# KiCad board smoothiev2-prime.kicad_pcb (continued)
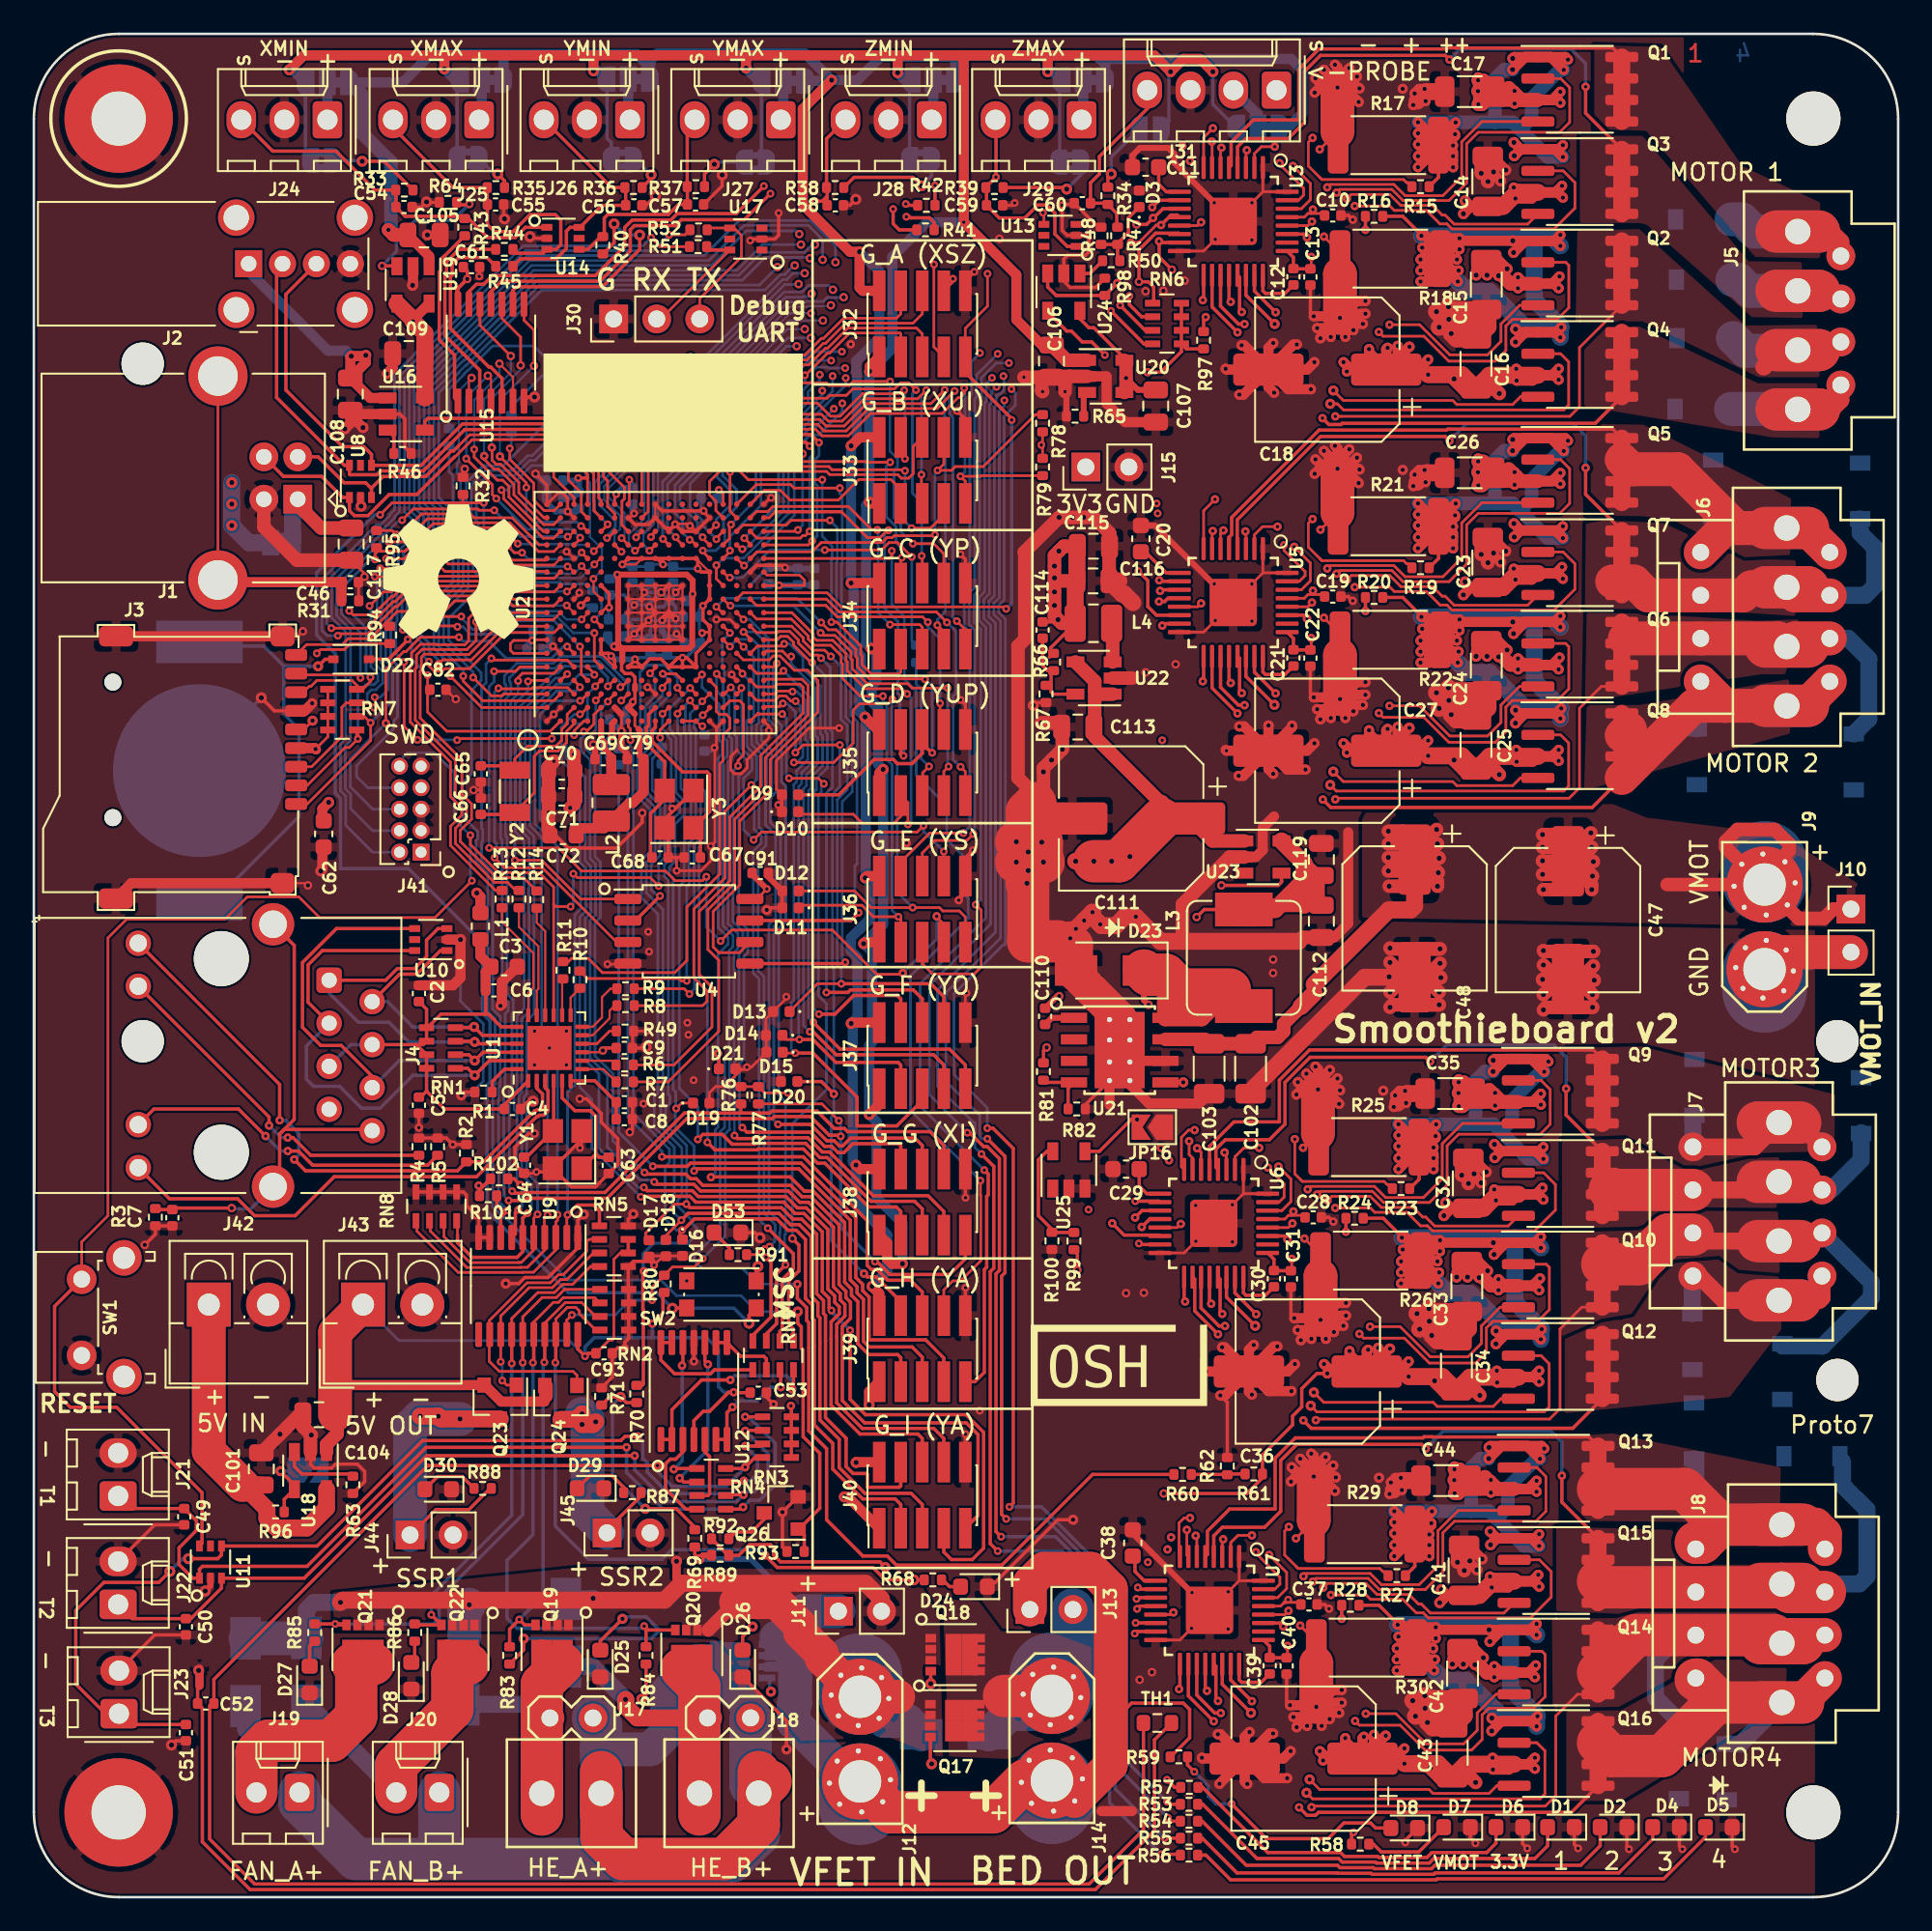
[diagram p0: board, top side]
## Routing (per net, layer and track width the routed paths; a pad name or vN(x,y) marks a point on that pad's centre or on a via; arc(x,y) is an arc through that point) (continued)
/SPI1_COPI: length 49.6
  Top w0.16: v5(40.52,56.45) 41.17,57.09 47.11,57.09 49.73,54.48 51.2,54.48 v3(51.27,54.56) ; v5(26.86,61.94) 30.96,61.94 32.32,60.58 37.26,60.58 37.83,60.01 39.45,60.01 v5(39.68,60.24) ; J36.7 53.69,57.44 53.27,57.86 v3(53.27,57.91) ; v5(27.15,72.37) 28.41,72.37 28.67,72.63 U2.A5
  Bottom w0.16: v3(53.27,57.91) 53.27,56.56 v3(51.27,54.56) ; v5(26.86,61.94) 26.86,71.46 27.15,71.76 v5(27.15,72.37) ; v5(40.52,56.45) 39.68,57.29 v5(39.68,60.24)
/SPI1_SCK: length 40.5
  Top w0.16: v5(44.95,70.61) 44.67,70.61 44.37,70.91 43.99,70.91 43.72,70.65 42.65,70.65 U2.T3 ; v5(44.85,66.99) 47.2,66.99 48.35,68.13 48.35,70.08 48.72,70.45 50.39,70.45 v5(50.66,70.72) ; J36.9 54.96,57.86 54.6,58.22 53.64,58.22 53.44,58.42 v5(51.86,58.42) 49.4,58.42 48.42,59.41 D12.1
  Bottom w0.16: v5(51.86,58.42) 50.94,59.34 50.94,66.96 50.61,67.28 50.61,70.67 v5(50.66,70.72) ; v5(44.85,66.99) 45.03,66.99 45.37,67.33 45.37,67.92 45.24,68.06 45.24,70.32 v5(44.95,70.61)
/SSR1: length 36.1
  Top w0.16: v5(29.16,71.77) 29.21,71.83 U2.A4
  Top w0.2: R102.1 28.35,42.41 v3(28.71,42.04) ; v5(28.58,40.58) 28.41,40.41 28.41,39.16 U9.7
  Bottom w0.16: v5(29.16,71.77) 29.16,71.23 28.41,70.48 28.41,62.89 28.93,62.37 28.93,52.46 28.5,52.03 28.5,47.65 28.34,47.49 28.34,46.49 28.5,46.33 28.5,42.16 28.81,41.85 28.81,40.81 v5(28.58,40.58)
/SSR2: length 41.8
  Top w0.16: v5(27,73.13) 27.09,73.03 31.47,73.03 U2.C5 ; 27.62,38.94 27.63,38.95
  Top w0.2: U9.8 27.55,40.14 v5(27.95,40.54) 27.63,40.54 27.31,40.86 27.31,41.41
  Bottom w0.16: v5(27,73.13) 26.68,72.81 26.68,71.7 26.41,71.43 26.41,63.09 26.49,63.02 26.49,62.36 26.41,62.29 26.41,61.2 27.07,60.54 27.07,52.43 27.52,51.98 27.52,49.88 27.51,49.87 27.51,47.87 27.42,47.78 27.42,41.07 v5(27.95,40.54)
/STEP_A: length 81.8
  Top w0.16: v5(23.41,78.28) 23.71,77.98 28.16,77.98 28.28,77.86 30.7,77.86 U2.B12 ; v3(73.5,102.37) 73.5,102.3 74.92,100.89 74.92,100.47 74.63,100.18 U3.31
  In1.Cu w0.16: v3(73.5,102.37) 69.14,102.37 68.12,103.38 v3(67.77,103.38)
  In2.Cu w0.2: v3(67.77,103.38) 66.28,103.38 61.83,98.93 57.67,98.93 56.43,100.17 53.13,100.17 51.7,98.75 50.28,98.75 49.68,99.34 45.03,99.34 43.87,98.18 v4(43.87,96.23)
  Bottom w0.16: v4(43.87,96.23) 42.81,95.17 29.84,95.17 25.4,90.73 25.37,90.73 24.79,90.15 24.79,90.12 23.6,88.94 23.6,82.51 24.15,81.97 24.15,79.63 23.32,78.8 23.32,78.37 v5(23.41,78.28)
/STEP_B: length 58.8
  Top w0.16: U5.31 74.67,77.68 75.01,78.02 75.01,78.25 73.77,79.5 v5(73.77,79.82) ; U2.H17 35.87,85.44 36.25,85.82 37.55,85.82 v5(37.62,85.89)
  In1.Cu w0.16: v5(73.77,79.82) 69.02,79.82 66.57,82.28 v5(66.24,82.28)
  In2.Cu w0.2: v5(66.24,82.28) 66.24,82.89 67.78,84.43 67.78,86.54 66.88,87.44 66.88,89.79 65.16,91.51 58.72,91.51 58.61,91.62 52.8,91.62 52.28,92.14 48.45,92.14 48.43,92.16 47.97,92.16 47.95,92.14 47.23,92.14 46.4,91.31 45.26,91.31 v4(45.01,91.56)
  Bottom w0.16: v4(45.01,91.56) 44.41,91.56 39.89,87.04 38.78,87.04 v5(37.62,85.89)
/STEP_C: length 107
  Top w0.16: U2.H15 35.53,80.29 v5(35.53,80.28) ; v3(72.81,43.07) 73.77,42.11 73.77,41.32 73.48,41.03 U6.31
  In1.Cu w0.16: v3(72.81,43.07) 68.08,43.07 66.92,44.23 v3(66.5,44.23)
  In2.Cu w0.2: v4(45.49,92.57) 46.73,92.57 46.98,92.82 48.7,92.82 48.72,92.8 52.56,92.8 53.08,92.28 62.58,92.28 62.69,92.17 66.01,92.17 67.54,90.64 67.54,87.72 68.44,86.82 68.44,84.16 67.25,82.97 67.25,81.95 65.88,80.58 64.47,80.58 62.37,78.48 62.37,73.88 67.97,68.28 67.97,66.06 70.55,63.48 70.55,56.76 70.2,56.41 70.2,48.39 69.61,47.8 69.21,47.8 66.5,45.09 v3(66.5,44.23)
  Bottom w0.128: v4(45.49,92.57) 44.46,92.57 39.5,87.61 37.88,87.61 36.74,86.46 36.74,85.28 36.28,84.82 36.28,81.27 35.53,80.53 v5(35.53,80.28)
/STEP_D: length 140.8
  Top w0.16: v3(72.1,20.37) 72.1,20.3 73.52,18.89 73.52,18.47 73.23,18.18 U7.31 ; U2.F14 v5(34.67,79.43)
  In1.Cu w0.16: v3(67.1,21.24) 67.97,20.37 v3(72.1,20.37)
  In2.Cu w0.2: v4(47.03,93.97) 48.95,93.97 49.13,93.79 53,93.79 53.42,93.37 63.18,93.37 63.37,93.18 66.65,93.18 68.67,91.16 68.67,89.05 69.49,88.23 69.49,83.48 68.24,82.23 68.24,81.41 66.3,79.47 65.7,79.47 63.59,77.36 63.59,75.04 66.23,72.4 66.23,72.16 69.24,69.15 69.24,66.19 71.54,63.89 71.54,56.35 71.19,56 71.19,47.98 69.12,45.91 69.12,43.85 68.55,43.28 67.91,43.28 67.15,42.52 63.89,42.52 63.15,41.78 63.15,36.24 69.13,30.26 69.13,23.98 67.1,21.95 v3(67.1,21.24)
  Bottom w0.128: v4(47.03,93.97) 46.98,93.93 45.65,93.93 45.61,93.89 44.6,93.89 39.09,88.38 37.56,88.38 35.96,86.78 35.96,85.6 33.65,83.29 33.65,82.5 34.58,81.56 34.58,80.76 34.26,80.43 34.26,79.92 34.22,79.88
  Bottom w0.16: v5(34.67,79.43) 34.22,79.88
/SWCLK: length 33
  Top w0.16: v5(20.95,80) 21.84,80 23.21,81.37 25.54,81.37 25.77,81.14 28.08,81.14 29.78,79.44 30.68,79.44 U2.B14
  Bottom w0.16: v5(20.95,80) 20.47,80 17.86,77.4 17.86,75.64 18.68,74.83 18.68,68.26 18.38,67.96 18.38,65.43 18.69,65.12 18.69,64.26 19.99,62.96 J41.4
/SWDIO: length 35.7
  Top w0.128: v5(31.5,80.31) 31.55,80.31 U2.C15
  Top w0.16: v5(21.72,81.29) 22.39,81.95 26.2,81.95 26.27,81.88 v5(27.17,81.88)
  Bottom w0.128: v5(31.5,80.31) 31.47,80.29 31.47,80.23
  Bottom w0.16: v5(31.5,80.31) 28.73,80.31 v5(27.17,81.88) ; J41.2 19.99,61.69 18.4,63.28 18.4,65 18.09,65.31 18.09,68.08 18.39,68.38 18.39,74.71 17.57,75.52 17.57,77.56 20.46,80.45 20.71,80.45 21.56,81.29 v5(21.72,81.29)
/SWO: length 24.1
  Top w0.16: U2.C6 v5(31.47,73.83) ; v3(20.77,69.31) 20.77,72.48 21.83,73.54 21.97,73.54 22.81,74.38 v5(25.08,74.38)
  Bottom w0.16: v5(31.47,73.83) 31.24,73.83 30.54,73.13 27.87,73.13 26.85,74.15 25.31,74.15 v5(25.08,74.38) ; v3(20.77,69.31) 18.67,67.21 18.67,65.55 19.99,64.23 J41.6
/T1: length 42.9
  Top w0.16: v5(46.61,65.73) 46.29,66.05 v5(44.56,66.05) ; v5(44.15,69.85) 42.73,69.85 42.71,69.87 ; 42.71,69.87 42.77,69.87 ; 42.71,69.87 U2.T1
  Top w0.2: RN9.1 44.8,32.86 44.8,33.56 44.54,33.81 44.54,36.37 45.14,36.97 45.14,38.5 v4(44.76,38.88)
  Bottom w0.16: v5(44.56,66.05) 44.41,66.2 44.41,69.59 v5(44.15,69.85) ; v5(46.61,65.73) 46.46,65.58 46.46,65.25 46.29,65.08 46.29,53.22 46.76,52.75 46.76,47.66 44.76,45.66 v4(44.76,38.88)
/T2: length 44
  Top w0.16: U2.R7 41.88,73.82 v5(41.88,73.81)
  Top w0.2: v5(43.3,39.49) 44.81,37.99 44.81,37.11 44.15,36.45 44.15,33.54 44.02,33.41 RN9.2
  Bottom w0.16: v5(43.3,39.49) 42.79,40.01 42.79,54.22 42.44,54.56 42.44,61.74 42.91,62.21 42.91,62.63 42.5,63.04 42.5,65.18 42.95,65.63 42.95,67.45 42.35,68.06 42.35,69.33 42.47,69.46 42.47,73.21 v5(41.88,73.81)
/T3: length 42.1
  Top w0.16: v5(43.83,72.83) 43.63,72.63 U2.U5
  Top w0.2: v5(44.35,37.33) 43.82,36.8 43.82,33.86 43.22,33.25 RN9.3
  Bottom w0.16: v5(43.83,72.83) 43.63,72.64 43.63,69.64 44.12,69.16 44.12,65.83 44.36,65.58 44.36,57.6 43.95,57.18 43.95,47.34 44.35,46.94 44.35,39.15 44.3,39.1 44.3,37.38 v5(44.35,37.33)
/T4: length 45.6
  Top w0.16: U2.T7 42.27,74.29 v5(41.87,74.69)
  Top w0.2: RN9.4 42.42,33.17 43.49,34.25 43.49,37.48 v5(43.2,37.78)
  Bottom w0.16: v5(41.87,74.69) 42.56,74.69 43.05,74.2 43.05,69.22 42.93,69.09 42.93,68.3 43.54,67.69 43.54,65.39 43.17,65.02 43.17,63.31 43.76,62.72 43.76,57.82 43.37,57.42 43.37,40.49 44.04,39.82 44.04,39.25 44.01,39.22 44.01,38.27 43.52,37.78 v5(43.2,37.78)
/TDI: length 28.4
  Top w0.128: U2.A14 29.82,79.83
  Top w0.16: v5(21.97,80.76) 22.88,81.66 25.75,81.66 25.98,81.43 28.22,81.43 29.82,79.83
  Bottom w0.16: J41.8 19.7,65.5 19.04,66.16 19.04,66.8 21.25,69 21.25,69.46 21.46,69.68 21.46,72.71 21.05,73.12 21.05,75.39 21.13,75.48 21.13,78.08 21.23,78.18 21.23,79.61 21.97,80.35 v5(21.97,80.76)
/TIM1_CH1: length 32.5
  Top w0.16: v5(40.27,76.18) 40.62,75.83 U2.P9 ; v5(46.45,75.25) 46.88,74.82 47.34,74.82 48.5,73.66 48.5,73.24 48.58,73.16 48.58,72.64 49.3,71.92 52.56,71.92 v5(52.59,71.89) ; J35.6 52.42,68.14
  Top w0.2: D9.1 47.49,65.08 49.58,67.16 50.71,67.16 50.95,66.92 51.81,66.92 52.42,67.53 J35.6 52.42,68.11 52.97,67.56 v5(53,67.56)
  Bottom w0.16: v5(53,67.56) 53,71.48 v5(52.59,71.89) ; v5(46.45,75.25) 45.02,76.68 40.77,76.68 v5(40.27,76.18)
/TIM1_CH2: length 22.5
  Top w0.16: v5(53.97,66.74) 53.69,66.46 J35.7 ; U2.P10 41.06,76.24 v5(41.1,76.24) ; v5(53.92,71.38) 51.82,71.38 51.57,71.63 49.18,71.63 48.29,72.52 48.29,73.04 48.21,73.12 48.21,73.54 47.26,74.49 46.57,74.49 v5(46.42,74.64)
  Bottom w0.16: v5(53.92,71.38) 53.92,66.79 v5(53.97,66.74) ; v5(41.1,76.24) 44.82,76.24 v5(46.42,74.64)
/TIM1_CH3: length 17.8
  Top w0.16: v5(52.75,75.27) 52.44,75.58 47.41,75.58 46.73,76.26 42.64,76.26 U2.T10 ; J35.8 53.47,69.15 v5(53.47,70.48)
  Bottom w0.16: v5(52.75,75.27) 52.75,75 53.47,74.28 v5(53.47,70.48)
/TIM1_CH4: length 22.2
  Top w0.16: U2.U10 46.77,76.63 47.53,75.87 53.26,75.87 v5(53.87,75.25) ; J35.9 54.96,66.45 v5(54.68,66.73)
  Bottom w0.16: v5(53.87,75.25) 54.42,74.71 54.42,71.07 54.24,70.89 54.24,67.17 v5(54.68,66.73)
/TIM8_CH1: length 59.6
  Top w0.16: v5(25.92,72) 27,70.92 27.62,70.92 27.73,71.03 U2.A3 ; v5(52.04,88.97) 51.62,89.4 51.14,89.4 50.78,89.04 48.32,89.04 47.94,88.66 46.97,88.66 46.8,88.49 42.81,88.49 41.02,90.28 v4(38.07,90.28) ; J34.6 52.42,79.15 v5(52.39,79.18)
  Bottom w0.16: v4(38.07,90.28) 37.02,90.28 35.73,88.99 33.74,88.99 29.56,84.81 29.25,84.81 28.37,83.93 26.77,83.93 26.1,83.26 26.1,81.22 26.22,81.09 26.22,80.19 25.63,79.59 25.63,77.3 24.18,75.85 24.18,74.07 25.92,72.33 v5(25.92,72) ; v5(52.04,88.97) 51.84,88.77 51.84,82.88 52.39,82.33 v5(52.39,79.18)
/TIM8_CH2: length 67.5
  Top w0.16: J34.7 53.69,74.71 v5(53.31,75.09) ; v5(53.74,88.98) 52.93,88.17 49.13,88.17 47.81,86.85 46.75,86.85 46.36,87.24 42.91,87.24 42.53,87.62 42.4,87.62 41.46,88.56 v5(30.47,88.56) ; U2.A2 26.42,70.23 v5(24.57,72.08)
  Bottom w0.16: v5(53.74,88.98) 53.74,87.41 53.78,87.37 53.78,75.89 53.31,75.41 v5(53.31,75.09) ; v5(24.57,72.08) 24.57,72.76 23.6,73.73 23.6,76.09 25.05,77.54 25.05,79.83 25.64,80.43 25.64,80.85 25.52,80.98 25.52,83.5 26.53,84.51 27.7,84.51 30.47,87.28 v5(30.47,88.56)
/TIM8_CH3: length 62.7
  Top w0.16: v5(50.52,89.48) 48.35,89.48 48.11,89.24 46.92,89.24 46.76,89.4 44.76,89.4 44.14,88.78 42.93,88.78 40.8,90.91 v4(38.74,90.91) ; v5(25.33,72.09) 25.33,71.79 26.49,70.63 30.67,70.63 U2.B3 ; v5(51.87,79.91) 53.09,79.91 53.69,79.31 J34.8
  Bottom w0.16: v5(50.52,89.48) 50.52,85.37 50.96,84.92 50.96,84.43 50.76,84.23 50.76,81.43 51.16,81.03 51.16,80.62 v5(51.87,79.91) ; v4(38.74,90.91) 37.24,90.91 35.61,89.28 33.59,89.28 29.41,85.1 29.13,85.1 28.25,84.22 26.65,84.22 25.81,83.38 25.81,81.1 25.93,80.97 25.93,80.31 25.34,79.71 25.34,77.42 23.89,75.97 23.89,73.85 25.33,72.41 v5(25.33,72.09)
/TIM8_CH4: length 51.2
  Top w0.16: J34.9 54.96,74.83 v5(54.46,75.33) ; v5(54.33,88.92) 53.29,87.88 49.25,87.88 47.93,86.56 46.63,86.56 46.24,86.95 42.79,86.95 42.41,87.33 42.28,87.33 41.6,88.01 33.67,88.01 v5(33.28,87.62) ; v5(27.59,83.07) 27.72,82.94 27.72,82.55 30.05,80.23 30.67,80.23 U2.B15
  Bottom w0.16: v5(54.33,88.92) 54.03,88.62 54.03,87.53 54.23,87.33 54.23,75.56 v5(54.46,75.33) ; v5(27.59,83.07) 27.92,83.07 29.37,84.52 30.18,84.52 v5(33.28,87.62)
/USART3_RX: length 17.8
  Top w0.16: v5(51.8,79.13) 50.95,79.97 50.46,79.97 50.02,79.53 v5(46.67,79.53) ; U2.P12 41,77.9 v5(41.06,77.9)
  Bottom w0.16: v5(46.67,79.53) 43.45,79.53 41.82,77.9 v5(41.06,77.9) ; R73.1 51.8,74.18 v5(51.8,79.13)
/USART3_TX: length 19.9
  Top w0.16: U2.U16 43.38,81.43 43.74,81.79 ; v5(50.43,80.7) 50.37,80.7 49.93,80.26 49.18,80.26 47.65,81.79
  Top w0.2: 43.74,81.79 47.65,81.79
  Bottom w0.16: v5(50.43,80.7) 50.18,80.45 50.18,76.11 50.99,75.3 50.99,71.05 51.1,70.93 51.1,70.5 51.1,70.5
  Bottom w0.2: 51.14,69.67 51.1,69.72 51.1,70.5
/USART4_RX: length 6.6
  Top w0.16: v5(28.08,85.53) 28.08,84.89 29.49,83.47 29.49,82.47 30.11,81.86 30.7,81.86 U2.B17
  Bottom w0.16: 28.17,86.45 28.17,85.62 v5(28.08,85.53)
/USART4_TX: length 24.1
  Top w0.16: v5(32.22,73.83) 32.3,73.75 32.3,72.2 U2.D4 ; v5(24.99,75) 24.94,75.05 v5(22.95,75.05)
  Bottom w0.16: v5(32.22,73.83) 30.7,75.36 28.12,75.36 27.32,74.56 25.76,74.56 25.32,75 v5(24.99,75) ; v5(22.95,75.05) 23.26,75.36 23.26,76.16 24.73,77.63 24.73,83.92 24.5,84.15 R74.1
/USB_DEV_D+: length 26.8
  Top w0.16: U2.E16 33.04,81.86 33.04,82.41 33.03,82.42 33.03,84.04 31.02,86.05 26.8,86.05 26.79,86.04 25.86,86.04 24.84,85.02 24.81,85.02
  Top w0.2: J1.3 14.72,83.88 16.97,83.88 18.22,82.63 U8.1 18.62,81.85 18.91,81.56 19.72,81.56 20.96,82.81 22.6,82.81 24.81,85.02
/USB_DEV_D-: length 23.3
  Top w0.16: 25.06,85.68 25.71,86.33 26.67,86.33 26.68,86.34 31.14,86.34 33.32,84.16 33.32,82.61 33.47,82.46 U2.E17
  Top w0.2: 19.92,83.16 19.92,83.19 20.6,83.87 23.12,83.87 24.63,85.38 24.76,85.38 25.06,85.68 ; 19.92,83.16 U8.3 ; 19.92,83.16 19.58,83.5 18.3,83.5 16.77,85.03 J1.2
/USB_HOST_D+: length 52.8
  Top w0.16: v5(45.77,80.63) 45.52,80.38 45.37,80.38 45.22,80.23 42.67,80.23 U2.T15
  Top w0.2: v5(45.77,85.66) 45.54,85.89 42.53,85.89 42.02,86.4 41.89,86.4 41.24,87.05 36.56,87.05 35.61,86.1 32.28,86.1 31.4,86.98 26.41,86.98 26.4,86.97 25.29,86.97 22.84,84.53 U8.4 19.92,85.18 19.47,85.63 18.22,85.63 14.87,88.98 14.87,94.63 J2.3 ; 17.02,96.43 16.97,96.38
  Bottom w0.16: v5(45.77,80.63) 45.77,84.95 46,85.18 46,85.43 v5(45.77,85.66)
/USB_HOST_D-: length 50.4
  Top w0.16: U2.U15 45,80.63 v5(45.08,80.71)
  Top w0.2: J2.2 14.32,96.08 14.32,88.53 18.32,84.53 U8.6 18.62,84 18.65,83.97 20.24,83.97 20.47,84.2 22.98,84.2 25.42,86.64 26.54,86.64 26.55,86.65 31.27,86.65 32.15,85.77 35.74,85.77 36.69,86.72 38.41,86.72 39.16,85.97 41.99,85.97 42.75,85.21 v4(45.35,85.21)
  Bottom w0.16: v4(45.35,85.21) 45.35,80.98 v5(45.08,80.71)
/USB_PWR: length 16.1
  Top w0.6: U16.1 19.84,88.5 C108.1 ; C108.1 18.67,90.92 v2(18.73,90.97) 19.53,90.97 v2(19.58,91.02) 19.58,90.59 C108.1
  Bottom w0.6: v2(19.58,91.02) 19.53,90.97 v2(18.73,90.97) 18.4,91.3 17.35,91.3 12.67,95.98 J2.1
/USB_PWR_ON: length 34.3
  Top w0.16: U2.U14 45.7,79.83 v5(45.92,80.05)
  Top w0.2: v5(46.32,85.87) 45.84,86.35 42.54,86.35 42.16,86.73 42.03,86.73 41.38,87.38 36.42,87.38 35.47,86.43 32.42,86.43 31.54,87.31 26.28,87.31 26.27,87.3 23.24,87.3 23.07,87.13 23.07,86.61
  Bottom w0.16: v5(45.92,80.05) 46.22,80.35 46.22,83.33 46.08,83.47 46.08,84.85 46.32,85.09 v5(46.32,85.87)
/VMOT: length 490
  Top w0.16: C21.2 75.37,73.68 v3(75.37,74.33) ; C30.2 74.22,37.03 v3(74.22,37.68) ; C39.2 73.97,14.18 v3(73.97,14.83) ; v3(75.37,96.83) 75.37,96.18 C12.2
  Top w0.2: C21.2 74.33,73.63 C22.1 74.32,74.31 U5.25 ; C30.2 73.18,36.98 C31.1 73.17,37.66 U6.25 ; C39.2 72.93,14.13 C40.1 72.92,14.81 U7.25 ; C12.2 74.33,96.13 C13.1 74.32,96.81 U3.25 ; v4(61.57,37.03) 61.57,38.02 R99.2 ; v5(77.87,3.83) 77.75,3.71 R58.1 ; v1(76.32,30.92) 75.71,30.92 74.81,30.02 74.81,28.94 74.27,28.4 74.27,27.88 72.49,26.1 R61.1 72.49,24.75 71.57,23.83 v4(66.67,23.83)
  Top w0.6: v1(90.17,78.53) 89.79,78.14 Q7.3 ; Q7.3 89.9,78.14 v1(90.22,77.83) ; Q7.3 88.38,77.78 v1(87.42,77.78) ; Q7.3 87.61,78.14 v1(87.32,78.43) ; v1(90.07,83.43) 89.91,83.59 Q5.3 ; Q5.3 89.58,83.59 v1(90.07,84.08) ; Q5.3 87.58,83.59 v1(87.37,83.38) ; Q5.3 87.91,83.59 v1(87.37,84.13) ; v1(87.57,73.13) 87.95,72.75 88.74,72.75 ; 88.74,72.75 87.83,72.75 v1(87.57,72.48) ; 88.74,72.75 89.58,72.75 v1(90.02,73.18) ; 88.74,72.75 89.7,72.75 v1(89.97,72.48) ; v1(89.97,67.73) 89.58,67.34 Q8.3 ; Q8.3 89.7,67.34 v1(89.97,67.08) ; Q8.3 87.86,67.34 v1(87.47,67.73) ; Q8.3 88.43,67.03 v1(87.49,67.03) ; C27.1 80.62,67.68 80.47,67.83 v1(80.47,69.08) ; C27.1 81.67,67.68 v1(82.27,68.28) ; C27.1 81.97,67.68 v1(82.27,67.38) ; C27.1 81.15,69.03 v1(81.17,69.03) ; C27.1 77.72,67.68 v1(77.28,68.12) ; C27.1 77.59,67.68 v1(77.47,67.57) ; C27.1 79.8,68.89 v1(79.88,68.97) ; C27.1 78.78,68.7 v1(78.78,68.89) ; 85.22,84.93 v1(85.22,84.76) ; 85.22,84.93 85.22,84.13 v1(85.21,84.12) ; 85.22,84.93 85.22,83.35 v1(85.23,83.34) ; v2(86.43,73.22) 85.7,73.95 C24.1 ; C24.1 86.39,74.17 v2(86.93,73.63) ; C24.1 85.7,73.3 v2(85.74,73.26) ; C24.1 85.1,73.58 v2(85.1,73.26) ; 84.79,77.31 v2(84.45,77.65) ; 84.79,77.31 85.79,77.31 ; 84.79,77.31 v2(84.35,76.88) ; v1(89.02,41.88) 88.64,41.5 Q11.3 ; Q11.3 88.75,41.5 v1(89.07,41.18) ; Q11.3 87.23,41.13 v1(86.27,41.13) ; Q11.3 86.46,41.5 v1(86.17,41.78) ; v1(88.92,46.78) 88.76,46.95 87.6,46.95 ; 87.6,46.95 88.43,46.95 v1(88.92,47.43) ; 87.6,46.95 86.43,46.95 v1(86.22,46.73) ; 87.6,46.95 86.76,46.95 v1(86.22,47.48) ; v1(86.42,36.48) 86.8,36.09 Q10.3 ; Q10.3 86.68,36.09 v1(86.42,35.83) ; Q10.3 88.43,36.09 v1(88.87,36.53) ; Q10.3 88.55,36.09 v1(88.82,35.83) ; v1(88.82,31.08) 88.43,30.7 Q12.3 ; Q12.3 88.55,30.7 v1(88.82,30.43) ; Q12.3 86.7,30.7 v1(86.32,31.08) ; Q12.3 87.28,30.38 v1(86.34,30.38) ; C36.1 79.47,31.03 79.32,31.18 v1(79.32,32.43) ; C36.1 80.52,31.03 v1(81.12,31.63) ; C36.1 80.82,31.03 v1(81.12,30.73) ; C36.1 80,32.38 v1(80.02,32.38) ; C36.1 76.57,31.03 v1(76.13,31.47) ; C36.1 76.44,31.03 v1(76.32,30.92) ; C36.1 78.64,32.24 v1(78.73,32.32) ; C36.1 77.63,32.05 v1(77.63,32.24) ; 84.07,48.28 v1(84.07,48.11) ; 84.07,48.28 84.07,47.48 v1(84.06,47.47) ; 84.07,48.28 84.07,46.7 v1(84.08,46.69) ; v2(85.28,36.57) 84.55,37.3 84.55,37.53 ; 84.55,37.53 85.23,37.53 v2(85.78,36.98) ; 84.55,37.53 84.55,36.65 v2(84.59,36.61) ; 84.55,37.53 83.95,36.92 v2(83.95,36.61) ; 83.64,40.67 v2(83.3,41) ; 83.64,40.67 C32.1 ; 83.64,40.67 v2(83.2,40.23) ; v1(88.77,19.03) 88.39,18.65 Q15.3 ; Q15.3 88.5,18.65 v1(88.82,18.33) ; Q15.3 86.98,18.28 v1(86.02,18.28) ; Q15.3 86.21,18.65 v1(85.92,18.93) ; v1(88.67,23.93) 88.51,24.09 Q13.3 ; Q13.3 88.18,24.09 v1(88.67,24.58) ; Q13.3 86.18,24.09 v1(85.97,23.88) ; Q13.3 86.51,24.09 v1(85.97,24.63) ; v1(86.17,13.63) 86.55,13.25 Q14.3 ; Q14.3 86.43,13.25 v1(86.17,12.98) ; Q14.3 88.18,13.25 v1(88.62,13.68) ; Q14.3 88.3,13.25 v1(88.57,12.98) ; v1(88.57,8.23) 88.18,7.84 Q16.3 ; Q16.3 88.3,7.84 v1(88.57,7.58) ; Q16.3 86.45,7.84 v1(86.07,8.23) ; Q16.3 87.03,7.53 v1(86.09,7.53) ; C45.1 79.22,8.18 79.07,8.33 v1(79.07,9.58) ; C45.1 80.27,8.18 v1(80.87,8.78) ; C45.1 80.57,8.18 v1(80.87,7.88) ; C45.1 79.75,9.53 v1(79.77,9.53) ; C45.1 76.32,8.18 v1(75.88,8.62) ; C45.1 76.19,8.18 v1(76.07,8.07) ; C45.1 78.39,9.39 v1(78.48,9.47) ; C45.1 77.38,9.19 v1(77.38,9.39) ; 83.82,25.43 v1(83.82,25.26) ; 83.82,25.43 83.82,24.63 v1(83.81,24.62) ; 83.82,25.43 83.82,23.85 v1(83.83,23.84) ; v2(85.03,13.72) 84.3,14.45 C42.1 ; C42.1 84.98,14.68 v2(85.53,14.13) ; C42.1 84.3,13.8 v2(84.34,13.76) ; C42.1 83.7,14.07 v2(83.7,13.76) ; 83.39,17.81 v2(83.05,18.15) ; 83.39,17.81 C41.1 ; 83.39,17.81 v2(82.95,17.38) ; v2(85.1,95.76) 85.1,96.08 C15.1 ; v1(89.97,94.98) 89.7,95.25 Q2.3 ; v1(85.21,106.62) 85.22,106.63 85.22,107.43 ; Q2.3 89.58,95.25 v1(90.02,95.68) ; Q2.3 87.95,95.25 v1(87.57,95.63) ; Q2.3 87.83,95.25 v1(87.57,94.98) ; 88.74,106.09 87.58,106.09 v1(87.37,105.88) ; 88.74,106.09 89.91,106.09 v1(90.07,105.93) ; 88.74,106.09 87.91,106.09 v1(87.37,106.63) ; 88.74,106.09 89.58,106.09 v1(90.07,106.58) ; v1(89.97,90.23) 89.58,89.84 Q4.3 ; 85.22,107.43 85.22,105.85 v1(85.23,105.84) ; 85.22,107.43 v1(85.22,107.26) ; v1(87.42,100.28) 88.38,100.28 Q3.3 ; Q3.3 87.61,100.65 v1(87.32,100.93) ; Q3.3 89.79,100.65 v1(90.17,101.03) ; Q3.3 89.9,100.65 v1(90.22,100.33) ; v1(77.47,90.07) 77.59,90.18 C18.1 ; 84.79,99.81 v2(84.45,100.15) ; 84.79,99.81 v2(84.35,99.38) ; 84.79,99.81 C14.1 ; v1(82.27,89.88) 81.97,90.18 C18.1 ; C18.1 78.78,91.19 v1(78.78,91.39) ; C18.1 79.8,91.39 v1(79.88,91.47) ; C18.1 81.67,90.18 v1(82.27,90.78) ; C18.1 77.72,90.18 v1(77.28,90.62) ; C18.1 80.62,90.18 80.47,90.33 v1(80.47,91.58) ; C18.1 81.15,91.53 v1(81.17,91.53) ; v1(87.49,89.53) 88.43,89.53 Q4.3 ; Q4.3 87.86,89.84 v1(87.47,90.23) ; Q4.3 89.7,89.84 v1(89.97,89.58) ; v2(86.93,96.13) 86.39,96.68 C15.1 ; C15.1 85.7,95.8 v2(85.74,95.76) ; C15.1 85.7,96.45 v2(86.43,95.72)
  Top w0.8: 81.42,61.36 82.89,61.36 v2(82.92,61.33) ; 81.42,61.36 81.42,62.28 80.77,62.93 v2(79.92,62.93) ; 81.42,61.36 81.42,61.03 80.97,60.58 v2(79.92,60.58) ; 81.42,61.36 82.82,59.95 v2(82.82,59.68) ; 81.42,61.36 81.42,61.68 v2(82.77,63.03) ; 81.42,61.36 81.42,60.23 80.87,59.68 v2(79.97,59.68) ; 81.42,61.36 81.99,61.36 ; 81.42,61.36 79.95,61.36 v2(79.92,61.38) ; 81.42,61.36 81.42,61.73 80.97,62.18 v2(79.92,62.18) ; 81.99,61.36 v2(82.82,62.18) ; 81.99,61.36 v2(82.87,60.48) ; C26.1 86.69,83.59 Q5.3 87.74,83.59 87.02,84.32 ; C26.1 86.17,84.12 v1(85.21,84.12) ; C26.1 85.52,84.76 v1(85.22,84.76) ; C26.1 85.45,83.34 v1(85.23,83.34) ; v2(83.8,67.13) 84.39,66.55 C25.1 86.2,66.55 v2(86.47,66.27) ; C24.1 87.13,72.75 88.74,72.75 ; C35.1 85.54,46.95 87.6,46.95 86.6,46.95 85.87,47.67 ; C35.1 85.02,47.47 v1(84.06,47.47) ; C35.1 84.38,48.11 v1(84.07,48.11) ; C35.1 84.3,46.69 v1(84.08,46.69) ; v2(82.65,30.48) 83.23,29.89 85.05,29.89 v2(85.32,29.62) ; 84.55,37.53 85.98,36.09 Q10.3 ; C44.1 85.29,24.09 Q13.3 86.35,24.09 85.62,24.82 ; C44.1 84.77,24.62 v1(83.81,24.62) ; C44.1 84.13,25.26 v1(83.82,25.26) ; C44.1 84.05,23.84 v1(83.83,23.84) ; v2(82.4,7.63) 82.98,7.04 C43.1 84.8,7.04 v2(85.07,6.77) ; C42.1 85.73,13.25 Q14.3 ; 75.55,53.36 75.55,53.88 ; C47.1 89.05,61.16 v2(89.02,61.18) ; C47.1 91.1,61.16 ; C47.1 90.52,60.83 90.07,60.38 v2(89.02,60.38) ; C47.1 90.52,60.03 89.97,59.48 v2(89.07,59.48) ; C47.1 91.99,61.16 v2(92.02,61.13) ; C47.1 90.52,61.53 90.07,61.98 v2(89.02,61.98) ; C47.1 91.92,59.75 v2(91.92,59.48) ; C47.1 90.52,62.08 89.87,62.73 v2(89.02,62.73) ; C47.1 90.52,61.48 v2(91.87,62.83) ; 91.1,61.16 v2(91.97,60.28) ; 91.1,61.16 v2(91.92,61.98) ; v1(85.23,105.84) 85.45,105.84 C17.1 ; C17.1 86.17,106.62 v1(85.21,106.62) ; C17.1 85.52,107.26 v1(85.22,107.26) ; C17.1 86.69,106.09 88.74,106.09 87.74,106.09 87.02,106.82 ; U21.7 69.08,50.64 C103.1 C102.1 72.17,50.75 73.39,50.75 73.74,51.11 73.74,51.56 74.77,52.58 ; J9.1 96.37,59.78 ; J9.1 104.12,57.78 105.62,57.78 106.17,58.33 J10.1 ; J9.1 102.12,60.33 103.57,61.78 103.57,62.18 102.72,63.03 100.52,63.03 99.82,62.33 99.82,61.98 100.77,61.03 100.77,60.98 ; v2(86.47,88.77) 86.2,89.05 C16.1 84.39,89.05 v2(83.8,89.63) ; Q2.3 87.13,95.25 C15.1
  Top w1: Q8.3 85.89,67.34 C25.1 84.26,67.38 v1(82.27,67.38) ; Q7.3 87.52,78.14 86.69,77.31 85.79,77.31 ; Q12.3 84.74,30.7 83.94,29.89 83.11,30.73 v1(81.12,30.73) ; Q11.3 86.37,41.5 85.54,40.67 C32.1 ; Q16.3 84.49,7.84 C43.1 82.86,7.88 v1(80.87,7.88) ; Q15.3 86.12,18.65 85.29,17.81 C41.1 ; v1(82.27,89.88) 84.26,89.88 C16.1 85.89,89.84 Q4.3 ; C48.1 81.47,58.5 81.24,58.28 79.95,58.28 75.55,53.88 ; 74.77,52.58 75.55,53.36 ; C14.1 86.69,99.81 87.52,100.65 Q3.3
  In1.Cu w0.6: 75.72,82.61 74.14,84.18 73.32,84.18 ; J31.1 74.14,106.68 75.72,105.11
  In1.Cu w1: J9.1 98.82,59.78 ; J9.1 105.12,59.78 ; J9.1 102.12,63.08
  In2.Cu w0.16: v3(75.37,74.33) 78.02,74.33 79.17,73.18 79.17,71.82 80.47,70.52 v1(80.47,69.08) ; v3(74.22,37.68) 76.87,37.68 78.02,36.53 78.02,35.17 79.32,33.87 v1(79.32,32.43) ; v3(73.97,14.83) 76.62,14.83 77.77,13.68 77.77,12.32 79.07,11.02 v1(79.07,9.58) ; v3(75.37,96.83) 78.02,96.83 79.17,95.68 79.17,94.32 80.47,93.02 v1(80.47,91.58)
  In2.Cu w0.2: v4(61.57,37.03) 61.47,36.93 61.47,35.43 67.37,29.53 67.37,24.73 67.47,24.63 v4(66.67,23.83)
  In2.Cu w1: J9.1 105.17,59.78 ; J9.1 98.87,59.78 ; J9.1 102.12,62.93
/VMOTSENSE: length 81.8
  Top w0.16: v5(40.29,72.22) 40.29,72.21 U2.P4
  Top w0.2: R60.2 62.47,24.95 57.11,19.6 50.89,19.6 50.35,20.14 48.91,20.14 46.78,22.27 46.78,26.47 45.72,27.53 45.72,32.44 45.72,33.92 45.6,34.04 45.6,34.8 45.05,35.35 v3(45.05,36.19)
  Bottom w0.16: v3(45.05,36.19) 42.74,36.19 41.8,37.13 39.41,37.13 38.95,37.59 38.95,37.84 40.5,39.39 40.5,45.18 40.76,45.44 40.76,49.56 41.02,49.83 41.02,55.89 41.25,56.11 41.25,56.78 40.67,57.36 40.67,67.13 40.89,67.35 40.89,68.26 40.72,68.43 40.72,70.77 40.29,71.2 v5(40.29,72.22)
/XTAL_HSE_IN: length 9.9
  Top w0.2: C68.1 36.39,61.46 36.39,63.98 37.22,64.81 Y3.3 37.22,67.02 36.14,68.1 36.14,69.04 36.26,69.16 36.26,69.82 U2.J2
/XTAL_HSE_OUT: length 10.9
  Top w0.2: C67.1 39.33,62.72 Y3.1 39.87,64.08 39.87,66.28 39.72,66.43 38.28,66.43 36.47,68.24 36.47,68.87 36.67,69.06 U2.J1
/XTAL_LSE_IN: length 8.2
  Top w0.16: U2.C2 31.47,69.83 31.47,69.27 31.15,68.95 31.15,68.3 30.81,67.96 29.14,67.96 28.37,67.19 Y2.1
  Top w0.2: C65.1 28.11,66.79 Y2.1
/XTAL_LSE_OUT: length 9.5
  Top w0.16: U2.C1 31.87,69.26 31.44,68.83 31.44,68.18 30.93,67.67 29.83,67.67 29.52,67.35 29.52,65.18 Y2.2
  Top w0.2: Y2.2 28.26,63.92 C66.1
Net-(BT1-Pad1): length 25.8
  Top w0.2: v1(16.77,72.67) 17.18,73.08 D22.2
  Bottom w0.2: 14.75,72.68 13.58,73.85 10.03,73.85 9.77,74.11 ; 14.75,72.68 14.75,69.86 15.64,68.95 15.64,63.81 10.75,58.91 BT1.1 ; 14.75,72.68 14.76,72.67 v1(16.77,72.67)
Net-(C1-Pad1): length 4.6
  Top w0.2: C8.1 C1.1 33.1,48.19 U1.6 31.67,47.82
Net-(C2-Pad1): length 30.4
  Top w0.2: 26.62,52.13 26.82,52.13 27.57,51.38 U1.19 ; 26.62,52.13 24.02,52.13 23.22,51.33 RN1.5 ; 26.62,52.13 26.66,52.17 C6.1 ; 23.17,47.58 24.22,46.53 27.51,46.53 U1.1 ; 23.17,47.58 RN1.8 RN1.7 22.57,50.33 ; 23.17,47.58 22.82,47.23 C5.1 ; RN1.5 23.17,52.42 C2.1 ; RN1.5 RN1.6 22.97,50.33 22.57,50.33 ; 22.57,50.33 J4.4
  Top w0.6: L1.1 26.34,55.56 C3.1 26.66,54.62 C6.1
  Bottom w0.2: J4.5 18.7,50.33 J4.4
Net-(C11-Pad1): length 2.4
  Top w0.2: U3.9 66.82,100.68 66.37,101.13 C11.1
Net-(C13-Pad2): length 3
  Top w0.2: C13.2 73.82,94.68 72.67,94.68 72.52,94.83 U3.24